# Altium PCB S6.PcbDoc (part 13 of 14)
Units mil, origin at the board's own origin, x right, y up, seen from the top; angles counter-clockwise.
Board outline 5250 x 2929.55 mil, 6 copper layers (Top Layer, Mid-Layer 2, Mid-Layer 4, Mid-Layer 3, Mid-Layer 1, Bottom Layer); 345 components, 365 nets, 2233 pads, 960 vias.
Unrouted connection lines stored in the file: 1.
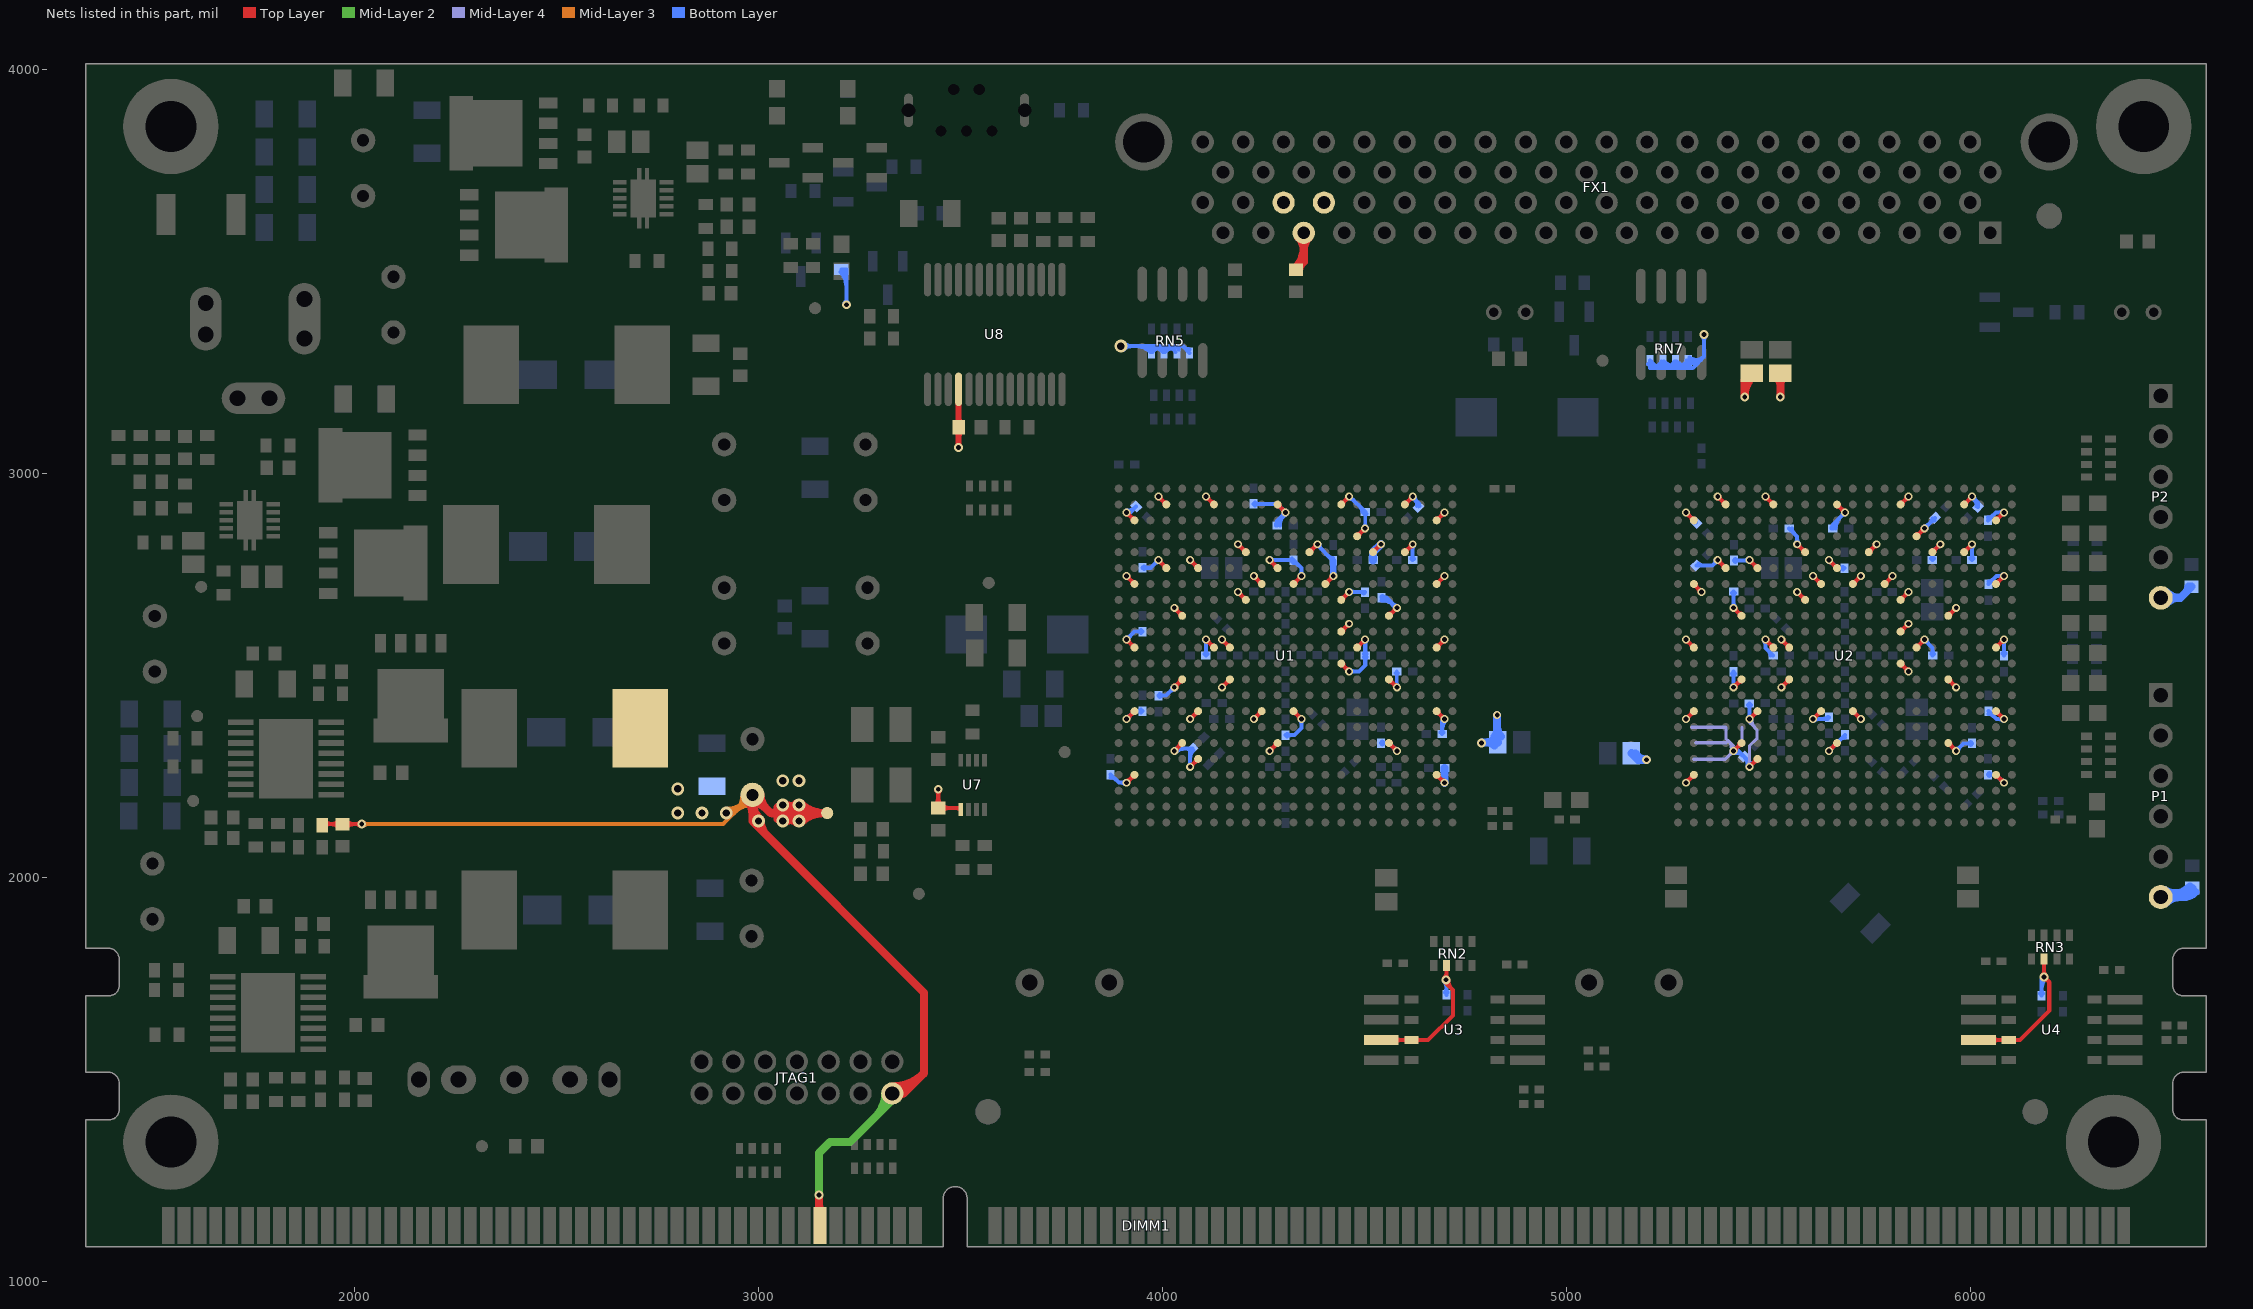
[diagram p17: the nets of this part, all layers, seen from the top]

## Via types
v1: diameter 19.68, hole 11.81, Top Layer to Bottom Layer, tented both sides, 469 vias
v2: diameter 32, hole 18, Top Layer to Bottom Layer, tented both sides, 257 vias
v3: diameter 22, hole 12, Top Layer to Bottom Layer, tented both sides, 185 vias
v4: diameter 25.59, hole 12.99, Top Layer to Bottom Layer, tented bottom, 16 vias
v5: diameter 50, hole 28, Top Layer to Bottom Layer, tented both sides, 15 vias
v6: diameter 23.62, hole 11.81, Top Layer to Bottom Layer, tented bottom, 10 vias
v7: diameter 20, hole 12, Top Layer to Bottom Layer, tented both sides, 5 vias
v8: diameter 21.65, hole 11.81, Top Layer to Bottom Layer, tented both sides, 2 vias
v9: diameter 39.37, hole 39.37, Top Layer to Bottom Layer, 1 vias

## Nets (pads, with @x,y where several pads share a name; then routed paths per layer and width w, separated by ;. In a path a pad name is that pad's centre, name@x,y a point inside that pad or via, vN(x,y) a via of type N, cw(c..) or ccw(c..) an arc to the next point about the centre after c; other vN are vias at no path point) (continued)
VREF: C37.2 C39.2 C42.2 C43.2 C45.2 C48.2 C49.2 C50.2 C51.2 C52.2 C53.2 C54.2 C55.2 C56.2 C57.2 C58.2 C59.2 C60.2 C61.2 C62.2 C63.2 C64.2 C65.2 C66.2 C67.2 C68.2 C69.2 C70.2 C71.2 C72.2 C73.2 C98.2 C99.2 C100.2 C101.2 C102.2 C103.2 C104.2 C105.2 C106.2 C107.2 C108.2 C109.2 C110.2 C111.2 C112.2 C113.2 C114.2 C115.2 C116.2 C117.2 C118.2 C119.2 C120.2 C121.2 C122.2 C123.2 C166.1 C169.2 C172.2 DIMM1.42 FX1.34 FX1.35 FX1.36 JTAG1.2 L4.2 P1.6 P2.6 R39.2 R74.1 RN5.1 RN5.2 RN5.3 RN5.4 RN7.1 RN7.2 RN7.3 RN7.4 TP10.1 U1.B4 U1.B7 U1.B11 U1.B15 U1.B19 U1.C2 U1.C21 U1.D16 U1.E9 U1.E13 U1.E17 U1.E19 U1.F4 U1.F6 U1.F11 U1.G2 U1.G10 U1.G12 U1.G14 U1.G21 U1.H9 U1.H15 U1.J5 U1.J18 U1.K15 U1.L2 U1.L7 U1.L8 U1.L16 U1.L21 U1.M15 U1.N5 U1.N8 U1.N18 U1.R2 U1.R6 U1.R10 U1.R12 U1.R21 U1.U5 U1.U11 U1.U18 U1.V6 U1.W2 U1.W21 U2.B4 U2.B7 U2.B11 U2.B15 U2.B19 U2.C2 U2.C21 U2.D16 U2.E9 U2.E13 U2.E17 U2.E19 U2.F4 U2.F6 U2.F11 U2.G2 U2.G10 U2.G12 U2.G14 U2.G21 U2.H9 U2.H15 U2.J5 U2.J18 U2.K15 U2.L2 U2.L7 U2.L8 U2.L16 U2.L21 U2.M15 U2.N5 U2.N8 U2.N18 U2.R2 U2.R6 U2.R10 U2.R12 U2.R21 U2.U5 U2.U11 U2.U18 U2.V6 U2.W2 U2.W21 U7.1 U8.4 | length 18597.6
  Top Layer w10: R74.1@1919.53,2130 1922.09,2132.56 C172.2@1970,2132.56 v3(2017.56,2132.56) ; R74.1@1925.74,2127.73 cw(c1937.4,2116.07) 1937.4,2132.56 ; R74.1@1925.74,2140.14 ccw(c1944.05,2158.46) 1944.05,2132.56 ; C172.2@1960.43,2124.96 ccw(c1942.08,2106.61) 1942.08,2132.56 ccw(c1942.08,2158.51) C172.2@1960.43,2140.16 ; C172.2@1979.57,2124.96 cw(c1997.92,2106.61) 1997.92,2132.56 cw(c1997.92,2158.51) C172.2@1979.57,2140.16 ; v3@2013.32,2128.32 ccw(c2003.07,2118.07) 2003.07,2132.56 ccw(c2003.07,2147.04) v3@2013.32,2136.8 ; C37.2@3437.4,2180.16 ccw(c3419.05,2198.51) 3445,2198.51 ccw(c3470.95,2198.51) C37.2@3452.6,2180.16 ; v3@3440.76,2214.76 cw(c3430.51,2204.51) 3445,2204.51 cw(c3459.49,2204.51) v3@3449.24,2214.76 ; v3(3445,2219) C37.2@3445,2172.56 3496.89,2172.56 U7.1@3500.47,2168.98 ; C37.2@3454.57,2164.96 cw(c3472.92,2146.61) 3472.92,2172.56 cw(c3472.92,2198.51) C37.2@3454.57,2180.16 ; 3489.64,2172.56 cw(c3489.64,2158.14) U7.1@3499.83,2168.34 ; v1(3911.3,2235.04) U1.W2@3930.98,2254.72 ; v1@3911.3,2239.88 ccw(c3911.3,2251.57) 3919.56,2243.31 ccw(c3927.83,2235.04) v1@3916.14,2235.04 ; v1(3911.3,2392.52) U1.R2@3930.98,2412.2 ; v1@3911.3,2397.36 ccw(c3911.3,2409.05) 3919.56,2400.79 ccw(c3927.83,2392.52) v1@3916.14,2392.52 ; v1@3911.3,2584.53 cw(c3911.3,2572.84) 3919.56,2581.1 cw(c3927.83,2589.37) v1@3916.14,2589.37 ; v1(3911.3,2589.37) U1.L2@3930.98,2569.69 ; v1@3911.3,2742.01 cw(c3911.3,2730.32) 3919.56,2738.58 cw(c3927.83,2746.85) v1@3916.14,2746.85 ; v1(3911.3,2746.85) U1.G2@3930.98,2727.17 ; v1@3911.3,2899.49 cw(c3911.3,2887.8) 3919.56,2896.07 cw(c3927.83,2904.33) v1@3916.14,2904.33 ; v1(3911.3,2904.33) U1.C2@3930.98,2884.65 ; U1.W2@3926.14,2254.72 cw(c3914.45,2254.72) 3922.72,2246.46 cw(c3930.98,2238.19) U1.W2@3930.98,2249.88 ; U1.R2@3926.14,2412.2 cw(c3914.45,2412.2) 3922.72,2403.94 cw(c3930.98,2395.67) U1.R2@3930.98,2407.36 ; U1.L2@3926.14,2569.69 ccw(c3914.45,2569.69) 3922.72,2577.95 ccw(c3930.98,2586.22) U1.L2@3930.98,2574.53 ; U1.G2@3926.14,2727.17 ccw(c3914.45,2727.17) 3922.72,2735.43 ccw(c3930.98,2743.7) U1.G2@3930.98,2732.01 ; U1.C2@3926.14,2884.65 ccw(c3914.45,2884.65) 3922.72,2892.91 ccw(c3930.98,2901.18) U1.C2@3930.98,2889.49 ; v1@3990.04,2781.38 cw(c3990.04,2769.69) 3998.31,2777.95 cw(c4006.57,2786.22) v1@3994.88,2786.22 ; v1(3990.04,2786.22) U1.F4@4009.72,2766.54 ; v1@3990.04,2938.86 cw(c3990.04,2927.17) 3998.31,2935.44 cw(c4006.57,2943.7) v1@3994.88,2943.7 ; v1(3990.04,2943.7) U1.B4@4009.72,2924.02 ; U1.F4@4004.88,2766.54 ccw(c3993.19,2766.54) 4001.46,2774.8 ccw(c4009.72,2783.07) U1.F4@4009.72,2771.38 ; U1.B4@4004.88,2924.02 ccw(c3993.19,2924.02) 4001.46,2932.28 ccw(c4009.72,2940.55) U1.B4@4009.72,2928.86 ; v1(4029.41,2313.78) U1.U5@4049.09,2333.46 ; v1@4029.41,2318.62 ccw(c4029.41,2330.31) 4037.68,2322.05 ccw(c4045.94,2313.78) v1@4034.25,2313.78 ; v1(4029.41,2471.26) U1.N5@4049.09,2490.95 ; v1@4029.41,2476.1 ccw(c4029.41,2487.79) 4037.68,2479.53 ccw(c4045.94,2471.26) v1@4034.25,2471.26 ; v1@4029.41,2663.27 cw(c4029.41,2651.58) 4037.68,2659.84 cw(c4045.94,2668.11) v1@4034.25,2668.11 ; v1(4029.41,2668.11) U1.J5@4049.09,2648.43 ; U1.U5@4044.25,2333.46 cw(c4032.56,2333.46) 4040.83,2325.2 cw(c4049.09,2316.93) U1.U5@4049.09,2328.62 ; U1.N5@4044.25,2490.95 cw(c4032.56,2490.95) 4040.83,2482.68 cw(c4049.09,2474.41) U1.N5@4049.09,2486.1 ; U1.J5@4044.25,2648.43 ccw(c4032.56,2648.43) 4040.83,2656.69 ccw(c4049.09,2664.96) U1.J5@4049.09,2653.27 ; v1(4068.78,2274.41) U1.V6@4088.46,2294.09 ; v1@4068.78,2279.25 ccw(c4068.78,2290.94) 4077.05,2282.68 ccw(c4085.31,2274.41) v1@4073.62,2274.41 ; v1(4068.78,2392.52) U1.R6@4088.46,2412.2 ; v1@4068.78,2397.36 ccw(c4068.78,2409.05) 4077.05,2400.79 ccw(c4085.31,2392.52) v1@4073.62,2392.52 ; v1@4068.78,2781.38 cw(c4068.78,2769.69) 4077.05,2777.95 cw(c4085.31,2786.22) v1@4073.62,2786.22 ; v1(4068.78,2786.22) U1.F6@4088.46,2766.54 ; U1.V6@4083.62,2294.09 cw(c4071.93,2294.09) 4080.2,2285.83 cw(c4088.46,2277.56) U1.V6@4088.46,2289.25 ; U1.R6@4083.62,2412.2 cw(c4071.93,2412.2) 4080.2,2403.94 cw(c4088.46,2395.67) U1.R6@4088.46,2407.36 ; U1.F6@4083.62,2766.54 ccw(c4071.93,2766.54) 4080.2,2774.8 ccw(c4088.46,2783.07) U1.F6@4088.46,2771.38 ; v1@4108.15,2584.53 cw(c4108.15,2572.84) 4116.42,2581.1 cw(c4124.68,2589.37) v1@4112.99,2589.37 ; v1(4108.15,2589.37) U1.L7@4127.83,2569.69 ; v1@4108.15,2938.86 cw(c4108.15,2927.17) 4116.42,2935.44 cw(c4124.68,2943.7) v1@4112.99,2943.7 ; v1(4108.15,2943.7) U1.B7@4127.83,2924.02 ; U1.L7@4122.99,2569.69 ccw(c4111.3,2569.69) 4119.57,2577.95 ccw(c4127.83,2586.22) U1.L7@4127.83,2574.53 ; U1.B7@4122.99,2924.02 ccw(c4111.3,2924.02) 4119.57,2932.28 ccw(c4127.83,2940.55) U1.B7@4127.83,2928.86 ; v1(4147.52,2471.26) U1.N8@4167.2,2490.95 ; v1@4147.52,2476.1 ccw(c4147.52,2487.79) 4155.79,2479.53 ccw(c4164.05,2471.26) v1@4152.36,2471.26 ; v1@4147.52,2584.53 cw(c4147.52,2572.84) 4155.79,2581.1 cw(c4164.05,2589.37) v1@4152.36,2589.37 ; v1(4147.52,2589.37) U1.L8@4167.2,2569.69 ; U1.N8@4162.36,2490.95 cw(c4150.67,2490.95) 4158.94,2482.68 cw(c4167.2,2474.41) U1.N8@4167.2,2486.1 ; U1.L8@4162.36,2569.69 ccw(c4150.67,2569.69) 4158.94,2577.95 ccw(c4167.2,2586.22) U1.L8@4167.2,2574.53 ; v1@4186.89,2702.64 cw(c4186.89,2690.95) 4195.16,2699.21 cw(c4203.42,2707.48) v1@4191.73,2707.48 ; v1(4186.89,2707.48) U1.H9@4206.57,2687.8 ; v1@4186.89,2820.75 cw(c4186.89,2809.06) 4195.16,2817.32 cw(c4203.42,2825.59) v1@4191.73,2825.59 ; v1(4186.89,2825.59) U1.E9@4206.57,2805.91 ; U1.H9@4201.73,2687.8 ccw(c4190.04,2687.8) 4198.31,2696.06 ccw(c4206.57,2704.33) U1.H9@4206.57,2692.64 ; U1.E9@4201.73,2805.91 ccw(c4190.04,2805.91) 4198.31,2814.17 ccw(c4206.57,2822.44) U1.E9@4206.57,2810.75 ; v1(4226.26,2392.52) U1.R10@4245.94,2412.2 ; v1@4226.26,2397.36 ccw(c4226.26,2409.05) 4234.53,2400.79 ccw(c4242.79,2392.52) v1@4231.1,2392.52 ; v1@4226.26,2742.01 cw(c4226.26,2730.32) 4234.53,2738.58 cw(c4242.79,2746.85) v1@4231.1,2746.85 ; v1(4226.26,2746.85) U1.G10@4245.94,2727.17 ; U1.R10@4241.1,2412.2 cw(c4229.41,2412.2) 4237.68,2403.94 cw(c4245.94,2395.67) U1.R10@4245.94,2407.36 ; U1.G10@4241.1,2727.17 ccw(c4229.41,2727.17) 4237.68,2735.43 ccw(c4245.94,2743.7) U1.G10@4245.94,2732.01 ; v1(4265.63,2313.78) U1.U11@4285.31,2333.46 ; v1@4265.63,2318.62 ccw(c4265.63,2330.31) 4273.9,2322.05 ccw(c4282.16,2313.78) v1@4270.47,2313.78 ; v1@4265.63,2781.38 cw(c4265.63,2769.69) 4273.9,2777.95 cw(c4282.16,2786.22) v1@4270.47,2786.22 ; v1(4265.63,2786.22) U1.F11@4285.31,2766.54 ; U1.U11@4280.47,2333.46 cw(c4268.78,2333.46) 4277.05,2325.2 cw(c4285.31,2316.93) U1.U11@4285.31,2328.62 ; U1.F11@4280.47,2766.54 ccw(c4268.78,2766.54) 4277.05,2774.8 ccw(c4285.31,2783.07) U1.F11@4285.31,2771.38 ; U1.B11@4285.31,2919.17 cw(c4285.31,2907.48) 4293.58,2915.75 cw(c4301.85,2924.02) U1.B11@4290.16,2924.02 ; U1.B11@4285.31,2924.02 v1@4304.51,2904.82 ; 4296.5,2912.83 cw(c4287.67,2904) v1@4300.16,2904 ; 4297.3,2912.03 ccw(c4305,2919.73) v1@4305,2908.84 ; v1@4304.51,2904.49 v1(4305,2904) ; U1.R12@4324.69,2407.36 cw(c4324.69,2395.67) 4332.95,2403.94 cw(c4341.22,2412.2) U1.R12@4329.53,2412.2 ; U1.R12@4324.69,2412.2 v1(4344.37,2392.52) ; U1.G12@4324.69,2727.17 v1(4344.37,2746.85) ; U1.G12@4324.69,2732.01 ccw(c4324.69,2743.7) 4332.95,2735.43 ccw(c4341.22,2727.17) U1.G12@4329.53,2727.17 ; v1@4339.53,2392.52 ccw(c4327.84,2392.52) 4336.1,2400.79 ccw(c4344.37,2409.05) v1@4344.37,2397.36 ; v1@4339.53,2746.85 cw(c4327.84,2746.85) 4336.1,2738.58 cw(c4344.37,2730.32) v1@4344.37,2742.01 ; U1.E13@4364.06,2805.91 v1(4383.74,2825.59) ; U1.E13@4364.06,2810.75 ccw(c4364.06,2822.44) 4372.32,2814.17 ccw(c4380.59,2805.91) U1.E13@4368.9,2805.91 ; v1@4378.9,2825.59 cw(c4367.21,2825.59) 4375.47,2817.32 cw(c4383.74,2809.06) v1@4383.74,2820.75 ; U1.G14@4403.43,2727.17 v1(4423.11,2746.85) ; U1.G14@4403.43,2732.01 ccw(c4403.43,2743.7) 4411.69,2735.43 ccw(c4419.96,2727.17) U1.G14@4408.27,2727.17 ; v1@4418.27,2746.85 cw(c4406.58,2746.85) 4414.84,2738.58 cw(c4423.11,2730.32) v1@4423.11,2742.01 ; U1.M15@4442.8,2525.47 cw(c4442.8,2513.78) 4451.06,2522.05 cw(c4459.33,2530.32) U1.M15@4447.64,2530.32 ; U1.M15@4442.8,2530.32 v1(4462.48,2510.63) ; U1.K15@4442.8,2609.06 v1(4462.48,2628.74) ; U1.K15@4442.8,2613.9 ccw(c4442.8,2625.59) 4451.06,2617.32 ccw(c4459.33,2609.06) U1.K15@4447.64,2609.06 ; U1.H15@4442.8,2687.8 v1(4462.48,2707.48) ; U1.H15@4442.8,2692.64 ccw(c4442.8,2704.33) 4451.06,2696.06 ccw(c4459.33,2687.8) U1.H15@4447.64,2687.8 ; U1.B15@4442.8,2924.02 v1(4462.48,2943.7) ; U1.B15@4442.8,2928.86 ccw(c4442.8,2940.55) 4451.06,2932.28 ccw(c4459.33,2924.02) U1.B15@4447.64,2924.02 ; v1@4457.64,2510.63 ccw(c4445.95,2510.63) 4454.21,2518.9 ccw(c4462.48,2527.16) v1@4462.48,2515.47 ; v1@4457.64,2628.74 cw(c4445.95,2628.74) 4454.21,2620.47 cw(c4462.48,2612.21) v1@4462.48,2623.9 ; v1@4457.64,2707.48 cw(c4445.95,2707.48) 4454.21,2699.21 cw(c4462.48,2690.95) v1@4462.48,2702.64 ; v1@4457.64,2943.7 cw(c4445.95,2943.7) 4454.21,2935.44 cw(c4462.48,2927.17) v1@4462.48,2938.86 ; U1.L16@4482.17,2569.69 v1(4501.85,2589.37) ; U1.L16@4482.17,2574.53 ccw(c4482.17,2586.22) 4490.43,2577.95 ccw(c4498.7,2569.69) U1.L16@4487.01,2569.69 ; U1.D16@4482.17,2845.28 v1(4501.85,2864.96) ; U1.D16@4482.17,2850.12 ccw(c4482.17,2861.81) 4490.43,2853.54 ccw(c4498.7,2845.28) U1.D16@4487.01,2845.28 ; v1@4497.01,2589.37 cw(c4485.32,2589.37) 4493.58,2581.1 cw(c4501.85,2572.84) v1@4501.85,2584.53 ; v1@4497.01,2864.96 cw(c4485.32,2864.96) 4493.58,2856.7 cw(c4501.85,2848.43) v1@4501.85,2860.12 ; U1.E17@4521.54,2805.91 v1(4541.22,2825.59) ; U1.E17@4521.54,2810.75 ccw(c4521.54,2822.44) 4529.8,2814.17 ccw(c4538.07,2805.91) U1.E17@4526.38,2805.91 ; v1@4536.38,2825.59 cw(c4524.69,2825.59) 4532.95,2817.32 cw(c4541.22,2809.06) v1@4541.22,2820.75 ; U1.U18@4560.91,2328.62 cw(c4560.91,2316.93) 4569.17,2325.2 cw(c4577.44,2333.46) U1.U18@4565.75,2333.46 ; U1.U18@4560.91,2333.46 v1(4580.59,2313.78) ; U1.N18@4560.91,2486.1 cw(c4560.91,2474.41) 4569.17,2482.68 cw(c4577.44,2490.95) U1.N18@4565.75,2490.95 ; U1.N18@4560.91,2490.95 v1(4580.59,2471.26) ; U1.J18@4560.91,2648.43 v1(4580.59,2668.11) ; U1.J18@4560.91,2653.27 ccw(c4560.91,2664.96) 4569.17,2656.69 ccw(c4577.44,2648.43) U1.J18@4565.75,2648.43 ; v1@4575.75,2313.78 ccw(c4564.06,2313.78) 4572.32,2322.05 ccw(c4580.59,2330.31) v1@4580.59,2318.62 ; v1@4575.75,2471.26 ccw(c4564.06,2471.26) 4572.32,2479.53 ccw(c4580.59,2487.79) v1@4580.59,2476.1 ; v1@4575.75,2668.11 cw(c4564.06,2668.11) 4572.32,2659.84 cw(c4580.59,2651.58) v1@4580.59,2663.27 ; U1.E19@4600.28,2805.91 v1(4619.96,2825.59) ; U1.E19@4600.28,2810.75 ccw(c4600.28,2822.44) 4608.54,2814.17 ccw(c4616.81,2805.91) U1.E19@4605.12,2805.91 ; U1.B19@4600.28,2924.02 v1(4619.96,2943.7) ; U1.B19@4600.28,2928.86 ccw(c4600.28,2940.55) 4608.54,2932.28 ccw(c4616.81,2924.02) U1.B19@4605.12,2924.02 ; v1@4615.12,2825.59 cw(c4603.43,2825.59) 4611.69,2817.32 cw(c4619.96,2809.06) v1@4619.96,2820.75 ; v1@4615.12,2943.7 cw(c4603.43,2943.7) 4611.69,2935.44 cw(c4619.96,2927.17) v1@4619.96,2938.86 ; U1.W21@4679.02,2249.88 cw(c4679.02,2238.19) 4687.28,2246.46 cw(c4695.55,2254.72) U1.W21@4683.86,2254.72 ; U1.W21@4679.02,2254.72 v1(4698.7,2235.04) ; U1.R21@4679.02,2407.36 cw(c4679.02,2395.67) 4687.28,2403.94 cw(c4695.55,2412.2) U1.R21@4683.86,2412.2 ; U1.R21@4679.02,2412.2 v1(4698.7,2392.52) ; U1.L21@4679.02,2569.69 v1(4698.7,2589.37) ; U1.L21@4679.02,2574.53 ccw(c4679.02,2586.22) 4687.28,2577.95 ccw(c4695.55,2569.69) U1.L21@4683.86,2569.69 ; U1.G21@4679.02,2727.17 v1(4698.7,2746.85) ; U1.G21@4679.02,2732.01 ccw(c4679.02,2743.7) 4687.28,2735.43 ccw(c4695.55,2727.17) U1.G21@4683.86,2727.17 ; U1.C21@4679.02,2884.65 v1(4698.7,2904.33) ; U1.C21@4679.02,2889.49 ccw(c4679.02,2901.18) 4687.28,2892.91 ccw(c4695.55,2884.65) U1.C21@4683.86,2884.65 ; v1@4693.86,2235.04 ccw(c4682.17,2235.04) 4690.44,2243.31 ccw(c4698.7,2251.57) v1@4698.7,2239.88 ; v1@4693.86,2392.52 ccw(c4682.17,2392.52) 4690.44,2400.79 ccw(c4698.7,2409.05) v1@4698.7,2397.36 ; v1@4693.86,2589.37 cw(c4682.17,2589.37) 4690.44,2581.1 cw(c4698.7,2572.84) v1@4698.7,2584.53 ; v1@4693.86,2746.85 cw(c4682.17,2746.85) 4690.44,2738.58 cw(c4698.7,2730.32) v1@4698.7,2742.01 ; v1@4693.86,2904.33 cw(c4682.17,2904.33) 4690.44,2896.07 cw(c4698.7,2887.8) v1@4698.7,2899.49 ; v1(5296.3,2235.04) U2.W2@5315.98,2254.72 ; v1@5296.3,2239.88 ccw(c5296.3,2251.57) 5304.56,2243.31 ccw(c5312.83,2235.04) v1@5301.14,2235.04 ; v1(5296.3,2392.52) U2.R2@5315.98,2412.2 ; v1@5296.3,2397.36 ccw(c5296.3,2409.05) 5304.56,2400.79 ccw(c5312.83,2392.52) v1@5301.14,2392.52 ; v1@5296.3,2584.53 cw(c5296.3,2572.84) 5304.56,2581.1 cw(c5312.83,2589.37) v1@5301.14,2589.37 ; v1(5296.3,2589.37) U2.L2@5315.98,2569.69 ; v1@5296.3,2899.49 cw(c5296.3,2887.8) 5304.56,2896.07 cw(c5312.83,2904.33) v1@5301.14,2904.33 ; v1(5296.3,2904.33) U2.C2@5315.98,2884.65 ; U2.W2@5311.14,2254.72 cw(c5299.45,2254.72) 5307.72,2246.46 cw(c5315.98,2238.19) U2.W2@5315.98,2249.88 ; U2.R2@5311.14,2412.2 cw(c5299.45,2412.2) 5307.72,2403.94 cw(c5315.98,2395.67) U2.R2@5315.98,2407.36 ; U2.L2@5311.14,2569.69 ccw(c5299.45,2569.69) 5307.72,2577.95 ccw(c5315.98,2586.22) U2.L2@5315.98,2574.53 ; U2.C2@5311.14,2884.65 ccw(c5299.45,2884.65) 5307.72,2892.91 ccw(c5315.98,2901.18) U2.C2@5315.98,2889.49 ; U2.G2@5315.98,2727.17 5315.98,2726.02 5335,2707 v1(5335,2707.48) ; U2.G2@5320.83,2727.17 ccw(c5335.29,2727.17) 5325.06,2716.94 ; 5325.91,2716.09 ccw(c5335,2725.17) v1@5335,2712.32 ; 5327.07,2714.93 cw(c5319.63,2707.48) v1@5330.16,2707.48 ; v1@5375.04,2781.38 cw(c5375.04,2769.69) 5383.31,2777.95 cw(c5391.57,2786.22) v1@5379.88,2786.22 ; v1(5375.04,2786.22) U2.F4@5394.72,2766.54 ; v1@5375.04,2938.86 cw(c5375.04,2927.17) 5383.31,2935.44 cw(c5391.57,2943.7) v1@5379.88,2943.7 ; v1(5375.04,2943.7) U2.B4@5394.72,2924.02 ; U2.F4@5389.88,2766.54 ccw(c5378.19,2766.54) 5386.46,2774.8 ccw(c5394.72,2783.07) U2.F4@5394.72,2771.38 ; U2.B4@5389.88,2924.02 ccw(c5378.19,2924.02) 5386.46,2932.28 ccw(c5394.72,2940.55) U2.B4@5394.72,2928.86 ; v1(5414.41,2313.78) U2.U5@5434.09,2333.46 ; v1@5414.41,2318.62 ccw(c5414.41,2330.31) 5422.68,2322.05 ccw(c5430.94,2313.78) v1@5419.25,2313.78 ; v1(5414.41,2471.26) U2.N5@5434.09,2490.95 ; v1@5414.41,2476.1 ccw(c5414.41,2487.79) 5422.68,2479.53 ccw(c5430.94,2471.26) v1@5419.25,2471.26 ; v1@5414.41,2663.27 cw(c5414.41,2651.58) 5422.68,2659.84 cw(c5430.94,2668.11) v1@5419.25,2668.11 ; v1(5414.41,2668.11) U2.J5@5434.09,2648.43 ; U2.U5@5429.25,2333.46 cw(c5417.56,2333.46) 5425.83,2325.2 cw(c5434.09,2316.93) U2.U5@5434.09,2328.62 ; U2.N5@5429.25,2490.95 cw(c5417.56,2490.95) 5425.83,2482.68 cw(c5434.09,2474.41) U2.N5@5434.09,2486.1 ; U2.J5@5429.25,2648.43 ccw(c5417.56,2648.43) 5425.83,2656.69 ccw(c5434.09,2664.96) U2.J5@5434.09,2653.27 ; v1(5453.78,2274.41) U2.V6@5473.46,2294.09 ; v1@5453.78,2279.25 ccw(c5453.78,2290.94) 5462.05,2282.68 ccw(c5470.31,2274.41) v1@5458.62,2274.41 ; v1(5453.78,2392.52) U2.R6@5473.46,2412.2 ; v1@5453.78,2397.36 ccw(c5453.78,2409.05) 5462.05,2400.79 ccw(c5470.31,2392.52) v1@5458.62,2392.52 ; v1@5453.78,2781.38 cw(c5453.78,2769.69) 5462.05,2777.95 cw(c5470.31,2786.22) v1@5458.62,2786.22 ; v1(5453.78,2786.22) U2.F6@5473.46,2766.54 ; U2.V6@5468.62,2294.09 cw(c5456.93,2294.09) 5465.2,2285.83 cw(c5473.46,2277.56) U2.V6@5473.46,2289.25 ; U2.R6@5468.62,2412.2 cw(c5456.93,2412.2) 5465.2,2403.94 cw(c5473.46,2395.67) U2.R6@5473.46,2407.36 ; U2.F6@5468.62,2766.54 ccw(c5456.93,2766.54) 5465.2,2774.8 ccw(c5473.46,2783.07) U2.F6@5473.46,2771.38 ; v1@5493.15,2584.53 cw(c5493.15,2572.84) 5501.42,2581.1 cw(c5509.68,2589.37) v1@5497.99,2589.37 ; v1(5493.15,2589.37) U2.L7@5512.83,2569.69 ; v1@5493.15,2938.86 cw(c5493.15,2927.17) 5501.42,2935.44 cw(c5509.68,2943.7) v1@5497.99,2943.7 ; v1(5493.15,2943.7) U2.B7@5512.83,2924.02 ; U2.L7@5507.99,2569.69 ccw(c5496.3,2569.69) 5504.57,2577.95 ccw(c5512.83,2586.22) U2.L7@5512.83,2574.53 ; U2.B7@5507.99,2924.02 ccw(c5496.3,2924.02) 5504.57,2932.28 ccw(c5512.83,2940.55) U2.B7@5512.83,2928.86 ; v1(5532.52,2471.26) U2.N8@5552.2,2490.95 ; v1@5532.52,2476.1 ccw(c5532.52,2487.79) 5540.79,2479.53 ccw(c5549.05,2471.26) v1@5537.36,2471.26 ; v1@5532.52,2584.53 cw(c5532.52,2572.84) 5540.79,2581.1 cw(c5549.05,2589.37) v1@5537.36,2589.37 ; v1(5532.52,2589.37) U2.L8@5552.2,2569.69 ; U2.N8@5547.36,2490.95 cw(c5535.67,2490.95) 5543.94,2482.68 cw(c5552.2,2474.41) U2.N8@5552.2,2486.1 ; U2.L8@5547.36,2569.69 ccw(c5535.67,2569.69) 5543.94,2577.95 ccw(c5552.2,2586.22) U2.L8@5552.2,2574.53 ; v1@5571.89,2702.64 cw(c5571.89,2690.95) 5580.16,2699.21 cw(c5588.42,2707.48) v1@5576.73,2707.48 ; v1(5571.89,2707.48) U2.H9@5591.57,2687.8 ; v1@5571.89,2820.75 cw(c5571.89,2809.06) 5580.16,2817.32 cw(c5588.42,2825.59) v1@5576.73,2825.59 ; v1(5571.89,2825.59) U2.E9@5591.57,2805.91 ; U2.H9@5586.73,2687.8 ccw(c5575.04,2687.8) 5583.31,2696.06 ccw(c5591.57,2704.33) U2.H9@5591.57,2692.64 ; U2.E9@5586.73,2805.91 ccw(c5575.04,2805.91) 5583.31,2814.17 ccw(c5591.57,2822.44) U2.E9@5591.57,2810.75 ; v1(5611.26,2392.52) U2.R10@5630.94,2412.2 ; v1@5611.26,2397.36 ccw(c5611.26,2409.05) 5619.53,2400.79 ccw(c5627.79,2392.52) v1@5616.1,2392.52 ; v1@5611.26,2742.01 cw(c5611.26,2730.32) 5619.53,2738.58 cw(c5627.79,2746.85) v1@5616.1,2746.85 ; v1(5611.26,2746.85) U2.G10@5630.94,2727.17 ; U2.R10@5626.1,2412.2 cw(c5614.41,2412.2) 5622.68,2403.94 cw(c5630.94,2395.67) U2.R10@5630.94,2407.36 ; U2.G10@5626.1,2727.17 ccw(c5614.41,2727.17) 5622.68,2735.43 ccw(c5630.94,2743.7) U2.G10@5630.94,2732.01 ; v1(5650.63,2313.78) U2.U11@5670.31,2333.46 ; v1@5650.63,2318.62 ccw(c5650.63,2330.31) 5658.9,2322.05 ccw(c5667.16,2313.78) v1@5655.47,2313.78 ; v1@5650.63,2781.38 cw(c5650.63,2769.69) 5658.9,2777.95 cw(c5667.16,2786.22) v1@5655.47,2786.22 ; v1(5650.63,2786.22) U2.F11@5670.31,2766.54 ; U2.U11@5665.47,2333.46 cw(c5653.78,2333.46) 5662.05,2325.2 cw(c5670.31,2316.93) U2.U11@5670.31,2328.62 ; U2.F11@5665.47,2766.54 ccw(c5653.78,2766.54) 5662.05,2774.8 ccw(c5670.31,2783.07) U2.F11@5670.31,2771.38 ; U2.B11@5670.31,2919.17 cw(c5670.31,2907.48) 5678.58,2915.75 cw(c5686.85,2924.02) U2.B11@5675.16,2924.02 ; U2.B11@5670.31,2924.02 5689.84,2904.49 5689.84,2904.16 v1(5690,2904) ; 5681.5,2912.83 cw(c5672.67,2904) v1@5685.16,2904 ; 5682.3,2912.03 ccw(c5690,2919.73) v1@5690,2908.84 ; U2.R12@5709.69,2407.36 cw(c5709.69,2395.67) 5717.95,2403.94 cw(c5726.22,2412.2) U2.R12@5714.53,2412.2 ; U2.R12@5709.69,2412.2 v1(5729.37,2392.52) ; U2.G12@5709.69,2727.17 v1(5729.37,2746.85) ; U2.G12@5709.69,2732.01 ccw(c5709.69,2743.7) 5717.95,2735.43 ccw(c5726.22,2727.17) U2.G12@5714.53,2727.17 ; v1@5724.53,2392.52 ccw(c5712.84,2392.52) 5721.1,2400.79 ccw(c5729.37,2409.05) v1@5729.37,2397.36 ; v1@5724.53,2746.85 cw(c5712.84,2746.85) 5721.1,2738.58 cw(c5729.37,2730.32) v1@5729.37,2742.01 ; U2.E13@5749.06,2805.91 v1(5768.74,2825.59) ; U2.E13@5749.06,2810.75 ccw(c5749.06,2822.44) 5757.32,2814.17 ccw(c5765.59,2805.91) U2.E13@5753.9,2805.91 ; v1@5763.9,2825.59 cw(c5752.21,2825.59) 5760.47,2817.32 cw(c5768.74,2809.06) v1@5768.74,2820.75 ; U2.G14@5788.43,2727.17 v1(5808.11,2746.85) ; U2.G14@5788.43,2732.01 ccw(c5788.43,2743.7) 5796.69,2735.43 ccw(c5804.96,2727.17) U2.G14@5793.27,2727.17 ; v1@5803.27,2746.85 cw(c5791.58,2746.85) 5799.84,2738.58 cw(c5808.11,2730.32) v1@5808.11,2742.01 ; U2.M15@5827.8,2525.47 cw(c5827.8,2513.78) 5836.06,2522.05 cw(c5844.33,2530.32) U2.M15@5832.64,2530.32 ; U2.M15@5827.8,2530.32 v1(5847.48,2510.63) ; U2.K15@5827.8,2609.06 v1(5847.48,2628.74) ; U2.K15@5827.8,2613.9 ccw(c5827.8,2625.59) 5836.06,2617.32 ccw(c5844.33,2609.06) U2.K15@5832.64,2609.06 ; U2.H15@5827.8,2687.8 v1(5847.48,2707.48) ; U2.H15@5827.8,2692.64 ccw(c5827.8,2704.33) 5836.06,2696.06 ccw(c5844.33,2687.8) U2.H15@5832.64,2687.8 ; U2.B15@5827.8,2924.02 v1(5847.48,2943.7) ; U2.B15@5827.8,2928.86 ccw(c5827.8,2940.55) 5836.06,2932.28 ccw(c5844.33,2924.02) U2.B15@5832.64,2924.02 ; v1@5842.64,2510.63 ccw(c5830.95,2510.63) 5839.21,2518.9 ccw(c5847.48,2527.16) v1@5847.48,2515.47 ; v1@5842.64,2628.74 cw(c5830.95,2628.74) 5839.21,2620.47 cw(c5847.48,2612.21) v1@5847.48,2623.9 ; v1@5842.64,2707.48 cw(c5830.95,2707.48) 5839.21,2699.21 cw(c5847.48,2690.95) v1@5847.48,2702.64 ; v1@5842.64,2943.7 cw(c5830.95,2943.7) 5839.21,2935.44 cw(c5847.48,2927.17) v1@5847.48,2938.86 